# Allegro board parallella_gen1.brd (continued)
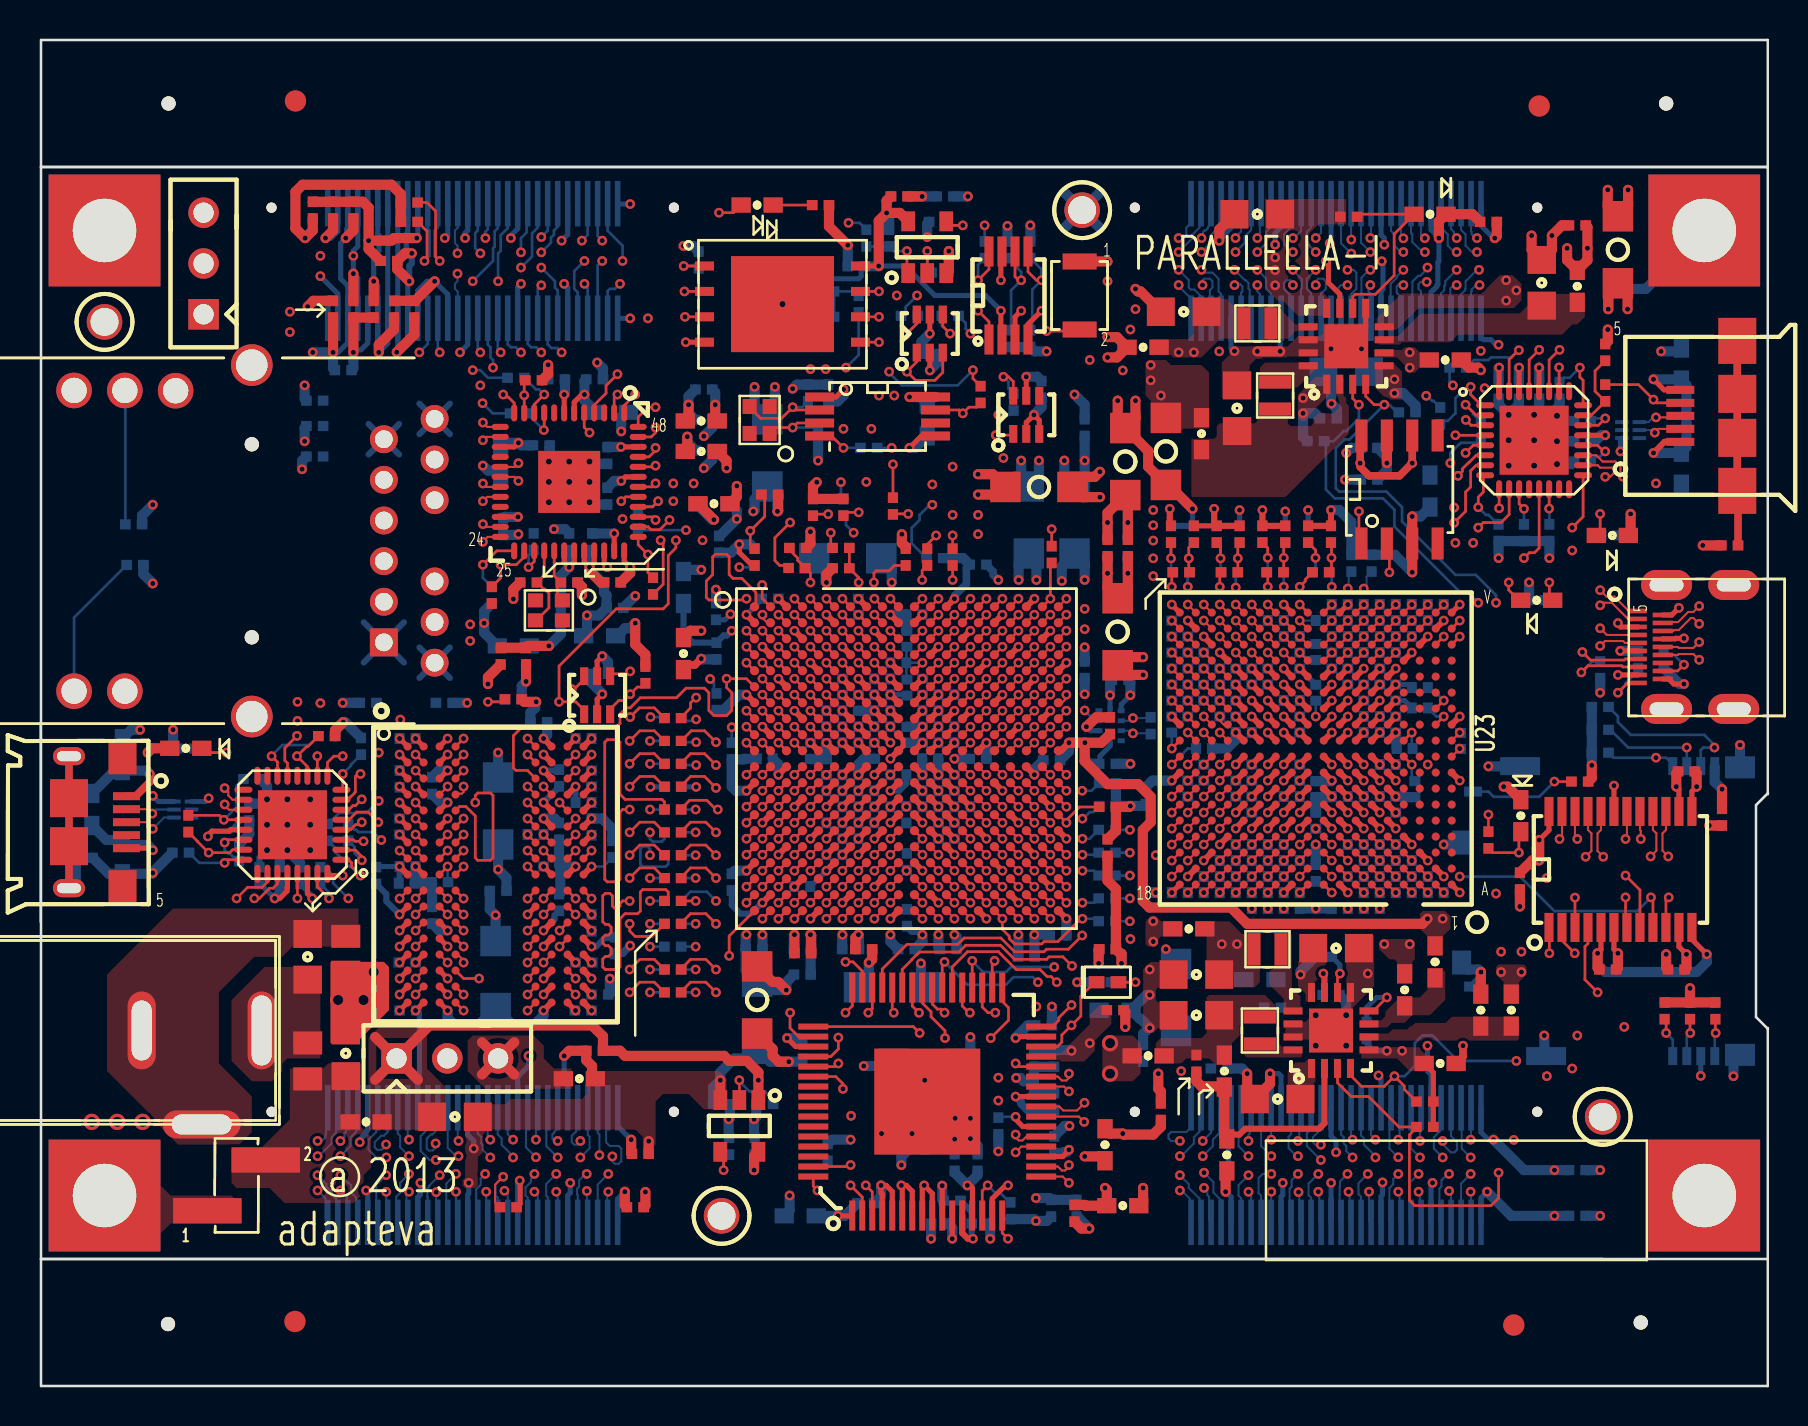
[diagram p0: board, top side]
## Routing (per net, layer and track width the routed paths; a pad name or vN(x,y) marks a point on that pad's centre or on a via; arc(x,y) is an arc through that point) (continued)
DDR_A0: length 13.4
  TOP w0.133: U20.K4 v1(21.19,24.38)
  L3_SIG w0.108: v1(30.51,25.4) 30.46,25.45 30.03,25.45 29.9,25.32 29.9,25.07 29.51,24.68 27.85,24.68 27.75,24.77 26.47,24.77 26.34,24.65 26.34,23.67 26.22,23.55 25.83,23.55 25.71,23.67 25.71,24.56 25.49,24.77 24.07,24.77 23.68,24.38 v1(21.19,24.38)
  BOTTOM w0.133: R316.2 v1(30.51,25.4)
DDR_A1: length 25.8
  TOP w0.133: U20.J9 v1(24.39,25.98) ; v1(29.49,28.83) 29.14,28.83 29.01,28.7 29.01,25.34 28.88,25.21 28.37,25.21 28.25,25.34 28.25,32.19 28.37,32.32 28.88,32.32 29.01,32.19 29.01,29.59 29.26,29.34 31.1,29.34 31.23,29.21 R315.2
  L3_SIG w0.108: v1(29.49,28.83) 29.14,28.83 29.09,28.78 27.32,28.78 27.19,28.65 27.19,28.19 26.98,27.98 26.33,27.98 25.96,27.61 25.96,26.53 25.81,26.37 24.51,26.37 24.39,26.25 v1(24.39,25.98)
DDR_A2: length 12.3
  TOP w0.133: R314.2 30.72,25.91 30,25.91 v1(29.49,25.4) ; U20.K3 v1(20.39,24.38)
  L3_SIG w0.108: v1(20.39,24.38) 20.78,24.77 21.35,24.77 21.44,24.69 23.53,24.69 23.91,25.07 29.14,25.07 29.47,25.4 v1(29.49,25.4)
DDR_A3: length 16.4
  TOP w0.133: R313.2 30.72,28.19 30,28.19 v1(29.49,27.69) ; v1(21.19,23.58) 21.19,23.58 U20.L4
  L5_SIG w0.108: v1(21.19,23.58) 21.64,23.12 21.64,22.66 21.92,22.38 27.84,22.38 28.63,23.16 28.63,23.67 28.88,23.93 28.88,27.56 29.01,27.69 v1(29.49,27.69)
DDR_A4: length 21.2
  TOP w0.133: U20.K9 v1(24.39,24.38)
  L3_SIG w0.108: v1(30.51,24.26) 30.51,23.84 31.93,22.42 31.93,20.75 31.8,20.62 31.42,20.62 31.3,20.75 31.3,22.1 30.97,22.42 28.85,22.42 28.82,22.38 22.02,22.38 21.71,22.7 21.71,23.61 22.04,23.94 23.69,23.94 24.13,24.38 v1(24.39,24.38)
  BOTTOM w0.133: R312.2 v1(30.51,24.26)
DDR_A5: length 19.4
  TOP w0.133: U20.L3 20.39,23.58 v1(20.39,23.58) ; R311.2 30.72,27.05 30,27.05 v1(29.49,26.54)
  L3_SIG w0.108: v1(29.49,26.54) 28.76,26.54 28.63,26.42 28.63,25.97 28.76,25.84 29.9,25.84 30.03,25.97 30.03,26.73 29.77,26.99 28.37,26.99 28.25,26.86 28.25,25.7 27.87,25.32 27.87,25.31 27.85,25.29 23.48,25.29 23.26,25.07 21.39,25.07 21.33,25.01 20.25,25.01 19.99,24.75 19.99,24.55 19.99,24.54 19.99,23.97 v1(20.39,23.58)
DDR_A6: length 15.7
  TOP w0.133: U20.K10 v1(25.19,24.38)
  L3_SIG w0.108: v1(25.19,24.38) 24.95,24.38 24.55,23.98 24.23,23.98 23.99,23.74 23.99,23.73 23.55,23.29 23.09,23.29 22.95,23.15 22.32,23.15 22.21,23.04 22.21,22.89 22.32,22.78 23.8,22.78 24.19,23.17 26.5,23.17 26.61,23.07 26.61,22.78 26.72,22.67 26.94,22.67 27.04,22.78 27.04,23.07 27.15,23.17 27.87,23.17 27.99,23.05 27.99,22.86 28.12,22.73 28.44,22.73 28.56,22.86 28.56,23.24 28.69,23.37 28.95,23.37 29.07,23.24 29.07,22.86 29.22,22.72 29.66,22.72 30.03,23.09 30.54,23.09 v1(30.51,23.11)
  BOTTOM w0.133: R310.2 v1(30.51,23.11)
DDR_A7: length 24.6
  TOP w0.133: U20.L2 v1(18.79,23.58)
  L5_SIG w0.108: v1(18.79,23.58) 18.79,23.8 18.91,23.93 19.36,23.93 19.48,23.8 19.48,22.02 19.61,21.89 19.86,21.89 19.99,22.02 19.99,22.94 20.22,23.17 20.55,23.17 20.78,22.94 20.78,21.74 20.94,21.58 21.64,21.58 21.77,21.45 21.77,21.26 21.9,21.13 22.15,21.13 22.28,21.26 22.28,21.45 22.41,21.58 22.77,21.58 22.88,21.47 22.88,21.26 23.01,21.13 23.4,21.13 23.53,21.26 23.53,21.47 23.64,21.58 27.81,21.58 29.09,22.87 29.09,23.38 29.26,23.55 29.77,23.55 30.03,23.8 30.03,27.56 30.15,27.69 v1(30.51,27.69)
  BOTTOM w0.133: v1(30.51,27.69) 30.51,27.36 30.63,27.23 31.1,27.23 31.23,27.36 R309.2
DDR_A8: length 25.3
  TOP w0.254: U20.L9 v1(24.39,23.58)
  L5_SIG w0.108: v1(24.39,23.58) 23.68,23.58 23.55,23.7 23.55,24.05 23.42,24.18 22.15,24.18 22.02,24.05 22.02,22.91 22.15,22.78 23.68,22.78 24.07,23.17 26.22,23.17 26.34,23.3 26.34,23.8 26.22,23.93 25.71,23.93 25.58,24.05 25.58,24.21 25.58,24.21 25.58,24.56 25.71,24.69 26.22,24.69 26.34,24.82 26.34,24.94 26.47,25.07 27.61,25.07 27.74,25.2 27.74,25.45 27.61,25.58 26.47,25.58 26.34,25.7 26.34,26.25 26.47,26.37 27.1,26.37 27.19,26.46 27.19,27.1 27.1,27.18 26.47,27.18 26.34,27.31 26.34,27.85 26.47,27.98 27.85,27.98 29.1,29.23 30.12,29.23 30.28,29.39 30.66,29.39 30.79,29.26 30.79,29.07 30.55,28.83 v1(30.51,28.83)
  BOTTOM w0.133: R308.2 v1(30.51,28.83)
DDR_A9: length 25.5
  TOP w0.133: U20.K2 v1(18.79,24.38) ; R307.2 30.72,30.48 30,30.48 v1(29.49,29.97)
  L5_SIG w0.108: v1(18.79,24.38) 18.35,24.82 16.82,24.82 16.69,24.94 16.69,26.47 16.82,26.59 17.33,26.59 17.45,26.47 17.45,25.7 17.71,25.45 22.73,25.45 22.75,25.43 23.08,25.43 23.09,25.45 25.45,25.45 25.83,25.83 25.83,28.5 25.58,28.75 25.58,30.25 25.71,30.38 29.08,30.38 v1(29.49,29.97)
DDR_A10: length 24.1
  TOP w0.133: U20.H9 v1(24.39,26.78) ; v1(29.49,32.26) 30,32.77 30.72,32.77 R306.2
  L5_SIG w0.108: v1(24.39,26.78) 22.49,26.78 22.17,27.1 22.17,29.89 21.77,30.29 21.77,32.82 22.91,33.96 22.91,35.76 23.35,36.2 27.28,36.2 27.68,35.8 27.68,33.45 28.87,32.26 v1(29.49,32.26)
DDR_A11: length 25.1
  TOP w0.133: U20.L10 v1(25.19,23.58)
  L5_SIG w0.108: v1(25.19,23.58) 24.79,23.97 24.14,23.97 23.93,24.18 23.93,24.43 23.8,24.56 21.77,24.56 21.64,24.43 21.64,24.1 21.52,23.97 19.99,23.97 19.87,24.1 19.87,24.94 19.99,25.07 25.71,25.07 26.09,25.45 26.09,28.24 26.62,28.78 27.89,28.78 28.55,29.44 29.9,29.44 30.03,29.56 30.03,30.4 30.15,30.53 30.91,30.53 31.04,30.66 31.04,30.99 30.91,31.12 v1(30.51,31.12)
  BOTTOM w0.133: R305.2 v1(30.51,31.12)
DDR_A12: length 25.6
  TOP w0.133: U20.K11 v1(26.79,24.38) ; v1(29.52,33.45) 29.98,33.91 30.72,33.91 30.99,33.64 30.99,33.64 R304.2
  L5_SIG w0.108: v1(26.79,24.38) 26.79,24.69 26.91,24.82 27.99,24.82 28.12,24.94 28.12,27.86 28.58,28.33 30.87,28.33 31.29,28.74 31.3,28.74 31.42,28.87 31.42,32.69 31.3,32.82 30.15,32.82 30.03,32.94 30.03,36.77 29.9,36.89 28.88,36.89 28.76,36.77 28.76,33.58 28.88,33.45 v1(29.52,33.45)
DDR_A13: length 23.6
  TOP w0.133: U20.L11 26.79,23.58 v1(26.79,23.58)
  L5_SIG w0.108: v1(30.53,33.45) 30.53,36.83 30.66,36.96 31.68,36.96 31.8,36.83 31.8,28.24 31.68,28.12 29.01,28.12 28.5,27.61 28.5,24.1 28.37,23.97 27.18,23.97 v1(26.79,23.58)
  BOTTOM w0.133: v1(30.53,33.45) 31.18,33.45 R303.2
DDR_A14: length 24.9
  TOP w0.133: U20.H10 v1(25.19,26.78)
  L5_SIG w0.108: v1(25.19,26.78) 24.78,27.18 23.09,27.18 22.78,27.49 22.78,30.74 22.41,31.12 22.41,32.69 23.29,33.58 23.29,35.36 23.75,35.81 26.73,35.81 27.17,35.37 27.17,33.45 27.99,32.63 27.99,31.67 28.12,31.55 30.91,31.55 31.04,31.67 31.04,32.13 30.91,32.26 v1(30.51,32.26)
  BOTTOM w0.133: R302.2 v1(30.51,32.26)
DDR_BA0: length 18.9
  TOP w0.133: R319.2 30.6,22.48 29.77,22.48 29.49,22.76 v1(29.49,23.11) ; U20.K1 v1(17.99,24.38)
  L5_SIG w0.108: v1(29.49,23.11) 29.49,22.63 29.01,22.15 29.01,21.64 28.14,20.77 22.13,20.77 22.12,20.78 19.84,20.78 19.04,21.58 18.51,21.58 18.38,21.71 18.38,23.98 v1(17.99,24.38)
DDR_BA1: length 14.8
  TOP w0.133: U20.K12 v1(27.59,24.38)
  L3_SIG w0.108: v1(27.59,24.38) 27.59,24.35 28.07,23.86 29.96,23.86 30.11,24.01 30.11,24.52 30.28,24.69 30.91,24.69 30.98,24.63 30.98,23.81 32.31,22.48 32.31,19.86 32.18,19.74 31.04,19.74 30.91,19.86 30.91,21.84 30.79,21.97 v1(30.51,21.97)
  BOTTOM w0.133: R318.2 v1(30.51,21.97)
DDR_BA2: length 24.9
  TOP w0.133: v1(29.49,31.12) 30,31.62 30.72,31.62 R317.2 ; U20.H2 v1(18.79,26.78)
  L5_SIG w0.108: v1(29.49,31.12) 27.81,31.12 27.74,31.18 27.42,31.18 27.19,31.41 27.19,32.71 27.08,32.82 23.8,32.82 23.68,32.69 23.68,28.1 23.8,27.98 25.35,27.98 25.58,27.74 25.58,26.61 25.35,26.37 19.19,26.37 v1(18.79,26.78)
DDR_CAS_L: length 20.5
  TOP w0.133: v1(20.39,27.58) 20.39,27.58 U20.G3
  L3_SIG w0.108: v1(20.39,27.58) 19.93,27.12 19.93,26.04 19.2,25.3 19.2,20.86 20.08,19.98 27.99,19.98 28.11,19.86 28.89,19.86 29.14,20.11 30.08,20.11 v1(30.51,19.69)
  BOTTOM w0.133: R323.2 v1(30.51,19.69)
DDR_CKE: length 24.4
  TOP w0.133: R325.2 31.3,24.26 31.42,24.38 31.42,24.7 31.3,24.83 30.15,24.83 30.03,24.7 30.03,23.75 29.9,23.62 29.26,23.62 29.01,23.37 29.01,20.95 28.88,20.83 28.7,20.83 28.69,20.83 28.31,20.83 28.31,20.83 28.27,20.83 28.15,20.95 28.15,21.35 28.28,21.48 28.43,21.48 28.56,21.62 28.56,21.88 28.43,22.02 28.28,22.02 28.15,22.15 28.15,22.42 28.28,22.55 28.43,22.55 28.56,22.68 28.56,22.95 28.43,23.08 28.28,23.08 28.15,23.22 28.15,24.51 28.27,24.64 28.5,24.64 28.63,24.51 28.63,24 28.76,23.88 28.88,23.88 29.01,24 29.01,24.13 29.14,24.26 v1(29.49,24.26) ; v1(26.79,27.58) 26.79,27.58 U20.G11
  L3_SIG w0.108: v1(29.49,24.26) 29.9,24.66 29.9,24.69 30.21,25 30.72,25 30.91,25.19 30.91,26.86 30.6,27.18 30.28,27.18 30.03,27.43 30.03,27.94 29.64,28.32 29.36,28.32 29.01,27.98 29.01,27.75 28.88,27.62 28.44,27.62 28.31,27.75 28.31,27.91 28.25,27.98 27.42,27.98 27.19,27.74 27.19,27.69 27.07,27.58 v1(26.79,27.58)
DDR_CLK_N: length 82.5
  TOP w0.102: v1(25.19,27.58) U20.G10 ; U2.M2 v1(36.13,29.77)
  L3_SIG w0.095: v1(36.13,29.77) 36.13,30.04 36.02,30.15 35.9,30.15 35.72,29.98 35.72,29.61 35.5,29.38 34.79,29.38 34.66,29.25 34.66,28.58 34.51,28.42 34.51,27.4 34.1,26.99 32.5,26.99 32.37,26.86 32.37,24 32.07,23.7 31.61,23.7 31.31,24 31.31,27.12 30.93,27.5 30.93,28.57 31.24,28.88 31.86,28.88 32.11,28.64 32.11,28.45 32.18,28.37 32.31,28.37 32.38,28.44 33.07,28.44 33.2,28.56 33.2,29.1 33.07,29.22 32.36,29.22 32.12,29.46 32.12,29.59 32,29.72 31.54,29.72 31.41,29.59 31.41,29.46 31.17,29.22 28.31,29.22 28.07,29.47 28.07,30.22 28.31,30.47 28.95,30.47 29.14,30.66 29.19,30.66 29.2,30.67 29.78,30.67 29.79,30.66 34.46,30.66 34.6,30.79 34.6,30.97 34.93,31.3 34.93,31.56 34.79,31.7 34.54,31.7 34.34,31.5 32.55,31.5 32.43,31.37 32.43,31.24 32.12,30.94 31.23,30.94 30.93,31.24 30.93,31.43 30.85,31.51 29.2,31.51 29.1,31.41 29.1,31.12 28.8,30.81 28.37,30.81 28.07,31.12 28.07,32.77 28.01,32.83 27.25,32.83 26.98,33.1 26.98,33.58 27.59,34.19 28.28,34.19 28.58,34.49 28.99,34.49 29.27,34.2 29.27,33.79 29.06,33.58 29.06,33.08 29.12,33.02 31.09,33.02 31.41,32.7 31.41,32.38 31.54,32.26 31.75,32.26 31.88,32.38 31.88,33.32 31.35,33.86 30.26,33.86 29.97,34.15 29.97,34.56 30.26,34.85 32.13,34.85 32.43,34.55 32.43,34.26 32.66,34.03 33.19,34.03 33.51,33.71 33.51,33.07 33.62,32.96 33.79,32.96 33.9,33.07 33.9,33.23 33.91,33.24 33.91,33.29 34.28,33.66 34.28,34.16 34.15,34.29 33.59,34.29 32.58,35.31 31.5,35.31 31.18,35.62 31.18,35.81 31.11,35.88 30.72,35.88 30.65,35.81 30.65,35.61 30.34,35.31 30.09,35.31 29.77,34.99 29.09,34.99 28.88,35.19 27.56,35.19 27.42,35.05 27.42,34.68 26.14,33.4 25.96,33.4 25.9,33.34 25.9,33.01 26.34,32.56 26.34,32.13 25.9,31.69 25.9,31.48 26.34,31.04 26.34,30.61 25.9,30.16 25.9,30.04 26.06,29.87 26.27,29.87 26.71,29.43 26.71,28.92 26.27,28.48 25.62,27.83 25.62,27.48 25.49,27.36 25.32,27.36 25.2,27.48 25.2,27.56 v1(25.19,27.58)
DDR_CLK_P: length 82.5
  TOP w0.102: v1(24.39,27.58) U20.G9 ; U2.L2 v1(36.13,30.57)
  L3_SIG w0.095: v1(24.39,27.58) 24.41,27.58 24.81,27.99 25.35,27.99 26.15,28.79 26.41,29.05 26.41,29.31 26.15,29.57 25.93,29.57 25.59,29.91 25.59,30.29 26.04,30.73 26.04,30.91 25.59,31.36 25.59,31.81 26.04,32.26 26.04,32.44 25.59,32.88 25.59,33.46 25.83,33.71 26.01,33.71 27.12,34.81 27.12,35.18 27.43,35.5 29.01,35.5 29.22,35.29 29.64,35.29 29.96,35.61 30.22,35.61 30.34,35.74 30.34,35.94 30.59,36.19 31.24,36.19 31.49,35.94 31.49,35.75 31.63,35.61 32.7,35.61 33.72,34.59 34.28,34.59 34.58,34.29 34.58,33.53 34.22,33.16 34.22,33.12 34.21,33.11 34.21,32.94 33.92,32.65 33.5,32.65 33.21,32.94 33.21,33.58 33.06,33.73 32.53,33.73 32.12,34.14 32.12,34.43 32.01,34.54 30.39,34.54 30.28,34.43 30.28,34.27 30.39,34.16 31.47,34.16 32.18,33.45 32.18,32.26 31.88,31.95 31.41,31.95 31.1,32.26 31.1,32.58 30.96,32.72 29,32.72 28.76,32.96 28.76,33.71 28.97,33.92 28.97,34.08 28.86,34.19 28.71,34.19 28.4,33.88 27.71,33.88 27.28,33.45 27.28,33.23 27.38,33.13 28.13,33.13 28.37,32.89 28.37,31.24 28.5,31.12 28.67,31.12 28.8,31.24 28.8,31.54 29.07,31.81 30.98,31.81 31.23,31.56 31.23,31.37 31.36,31.24 31.99,31.24 32.12,31.37 32.12,31.5 32.44,31.81 32.65,31.81 32.66,31.8 34.21,31.8 34.41,32 34.91,32 35.23,31.69 35.23,31.18 34.9,30.85 34.9,30.67 34.59,30.35 29.66,30.35 29.65,30.36 29.33,30.36 29.32,30.35 29.26,30.35 29.07,30.16 28.44,30.16 28.37,30.09 28.37,29.6 28.44,29.53 31.04,29.53 31.1,29.59 31.1,29.72 31.41,30.02 32.12,30.02 32.43,29.72 32.43,29.59 32.49,29.53 33.2,29.53 33.5,29.22 33.5,28.44 33.2,28.13 32.5,28.13 32.44,28.07 32.06,28.07 31.8,28.32 31.8,28.51 31.74,28.58 31.36,28.58 31.23,28.45 31.23,27.62 31.61,27.24 31.61,24.13 31.74,24 31.94,24 32.07,24.13 32.07,26.99 32.38,27.3 33.97,27.3 34.2,27.52 34.2,28.55 34.36,28.7 34.36,29.38 34.83,29.85 34.83,29.93 35.06,30.16 35.48,30.16 35.77,30.45 35.91,30.45 36.02,30.57 v1(36.13,30.57)
DDR_CS_L: length 25.7
  TOP w0.133: v1(21.19,26.78) 20.79,26.38 U20.H4
  L3_SIG w0.108: v1(30.51,26.54) 30.34,26.71 30.34,26.8 29.85,27.29 28.06,27.29 27.94,27.17 26.54,27.17 26.34,26.97 26.34,25.7 26.22,25.58 23.36,25.58 23.17,25.39 22.34,25.39 22.06,25.67 22.06,26.24 22.28,26.47 23.8,26.47 23.93,26.59 23.93,26.85 23.8,26.97 22.21,26.97 22.09,27.1 22.09,27.36 22.21,27.48 23.8,27.48 23.93,27.61 23.93,27.86 23.8,27.99 22.01,27.99 21.64,27.62 21.64,26.9 21.52,26.78 v1(21.19,26.78)
  BOTTOM w0.133: v1(30.51,26.54) 30.51,26.86 30.38,26.99 30.15,26.99 30.03,26.86 30.03,26.1 30.15,25.97 31.3,25.97 31.42,26.1 31.42,26.42 31.3,26.54 R321.2
DDR_DM0: length 31.9
  TOP w0.133: v1(35.33,39.37) 35.27,39.31 33.45,39.31 33.33,39.43 33.33,40.26 33.64,40.58 33.64,41.47 33.77,41.59 34.34,41.59 34.47,41.47 34.47,40.58 34.66,40.39 35.11,40.39 35.8,39.69 35.8,39.04 U2.A1 ; U20.C4 20.79,30.38 v1(21.19,30.78)
  L3_SIG w0.108: v1(21.19,30.78) 21.58,31.18 21.58,32.54 21.52,32.61 21.52,33.58 21.77,33.83 21.77,35.04 22.28,35.55 22.47,35.55 26.1,39.18 26.53,39.18 26.66,39.31 26.66,39.75 26.79,39.88 26.87,39.88 26.94,39.94 27.11,39.94 27.29,40.13 28.5,40.13 29.06,39.57 29.21,39.57 29.33,39.69 29.33,39.81 29.45,39.94 30.15,39.94 30.28,39.81 30.28,39.5 30.41,39.37 30.66,39.37 30.79,39.5 30.79,40.13 30.91,40.26 32.37,40.26 32.57,40.07 33.39,40.07 33.64,40.32 33.96,40.32 34.57,39.72 34.57,39.53 34.72,39.37 v1(35.33,39.37)
DDR_DM1: length 19.6
  TOP w0.133: U2.F1 35.33,35.37 v1(34.34,35.37) 34.34,34.92 34.6,34.67 34.6,33.78 34.34,33.53 33.71,33.53 33.45,33.78 33.45,34.67 33.23,34.9 32.31,34.9 31.83,34.42 30.03,34.42 29.52,33.91 29.33,33.91 29.01,33.6 29.01,33.13 28.81,32.93 24.09,32.93 23.68,32.52 23.68,30.91 23.8,30.78 24.38,30.78 U20.C9
DDR_DM2: length 21.9
  TOP w0.133: U2.T1 v1(35.33,26.57) ; U20.R9 v1(24.39,20.38)
  L10_SIG w0.108: v1(24.39,20.38) 24.38,20.38 22.41,22.35 22.41,22.73 22.66,22.99 23.17,22.99 23.8,22.35 23.8,21.84 24.07,21.58 26.15,21.58 26.51,21.93 26.98,21.93 27.42,22.37 27.89,22.37 28.25,22.73 28.25,24.89 29.15,25.8 30.77,25.8 31.17,25.4 32.18,25.4 32.74,25.96 33.96,25.96 34.57,26.57 v1(35.33,26.57)
DDR_DM3: length 30.1
  TOP w0.133: U2.Y1 34.47,22.5 v1(34.47,21.51) ; U20.R4 21.19,20.38 v1(21.96,20.38)
  L8_SIG w0.108: v1(34.47,21.51) 34.47,21.08 34.6,20.95 34.74,20.95 34.85,20.84 34.85,20.69 34.74,20.57 34.6,20.57 34.47,20.45 34.47,20.32 34.23,20.08 33.58,20.08 33.44,19.94 33.2,19.94 33.07,20.07 33.07,20.45 33.33,20.7 33.33,20.95 33.71,21.34 33.84,21.34 33.95,21.45 33.95,21.6 33.84,21.72 33.58,21.72 33.12,21.26 32.44,21.26 32.31,21.13 32.31,20.83 32.18,20.7 31.93,20.7 31.8,20.83 31.8,21.1 31.69,21.21 31.53,21.21 31.42,21.1 31.42,20.83 31.3,20.7 31.04,20.7 30.91,20.83 30.91,21.13 30.79,21.26 28.76,21.26 28.1,20.61 28.1,20.24 27.85,19.98 27.36,19.98 27.19,19.81 27.19,19.3 27.06,19.18 26.6,19.18 26.34,19.43 26.34,20.32 26.22,20.45 25.71,20.45 25.58,20.32 25.58,20.06 25.83,19.81 25.83,19.43 26.02,19.25 26.02,19.1 25.83,18.92 25.71,18.92 25.45,19.18 24.95,19.18 24.79,19.33 24.79,19.74 24.56,19.96 24.56,19.98 24.1,19.98 23.93,19.81 23.93,19.69 23.8,19.56 23.55,19.56 23.42,19.69 23.42,20.32 23.29,20.45 23.04,20.45 22.91,20.32 22.91,19.94 22.79,19.81 22.53,19.81 22.41,19.94 22.41,20.25 22.28,20.38 v1(21.96,20.38)
DDR_DQ0: length 31.9
  TOP w0.133: U2.C3 v1(36.93,37.77) ; U20.B2 v1(18.79,31.58)
  L3_SIG w0.108: v1(18.79,31.58) 18.79,31.37 18.66,31.24 18.47,31.24 18.38,31.33 18.38,32.74 18.53,32.89 18.53,34.16 19.55,35.18 20.2,35.18 24.12,39.1 24.12,39.81 26.39,42.09 30.66,42.09 30.91,41.83 34.6,41.83 34.79,41.64 36.64,41.64 37.65,40.64 37.65,40.09 38.13,39.61 38.13,39.21 37.89,38.97 37.57,38.97 37.33,38.73 37.33,38.17 v1(36.93,37.77)
DDR_DQ1: length 31.4
  TOP w0.133: v1(21.19,32.38) 20.79,31.98 U20.A4 ; U2.B3 v1(36.93,38.57)
  L3_SIG w0.108: v1(21.19,32.38) 21.19,33.66 21.06,33.78 20.83,33.78 20.71,33.66 20.71,32.62 20.78,32.54 20.78,32.19 20.58,31.98 20.06,31.98 19.93,32.11 19.93,32.77 20.06,32.89 20.25,32.89 20.37,33.02 20.37,33.27 20.25,33.4 19.87,33.4 19.74,33.53 19.74,33.85 19.99,34.1 20.51,34.1 25.39,38.98 25.39,39.56 25.45,39.62 25.71,39.62 25.82,39.51 25.97,39.51 26.09,39.62 26.09,39.81 25.96,39.94 25.96,40.13 26.02,40.2 26.91,40.2 27.23,40.51 28.82,40.51 29.07,40.26 29.33,40.26 29.58,40.51 29.83,40.51 30.09,40.26 30.34,40.26 30.72,40.64 31.1,40.64 31.36,40.89 31.49,40.89 31.87,40.51 32.06,40.51 32.44,40.89 32.57,40.89 32.67,40.79 32.67,40.54 32.82,40.39 33.2,40.39 33.23,40.42 33.24,40.42 33.47,40.65 33.47,40.66 33.71,40.89 33.96,40.89 34.98,39.88 35.39,39.88 35.85,39.42 36.26,39.42 36.73,38.95 36.73,38.78 v1(36.93,38.57)
DDR_DQ2: length 31.7
  TOP w0.133: U20.C2 v1(18.79,30.78) ; v1(36.12,40.06) 36.12,39.38 U2.A2
  L3_SIG w0.108: v1(18.79,30.78) 18.8,30.78 19.17,30.42 19.17,30.16 19.18,30.14 19.18,30.02 19.29,29.91 19.8,29.91 19.93,30.04 19.93,30.54 19.8,30.67 19.42,30.67 19.29,30.8 19.29,32.7 19.17,32.83 18.98,32.83 18.85,32.96 18.85,33.91 19.8,34.86 20.38,34.86 24.63,39.1 24.63,39.87 26.48,41.72 29.71,41.72 30.01,41.42 30.01,41.42 30.24,41.18 30.66,41.18 31.01,41.53 34.41,41.53 34.59,41.34 36.44,41.34 36.63,41.15 36.63,40.34 36.35,40.06 v1(36.12,40.06)
DDR_DQ3: length 31.5
  TOP w0.133: v1(21.19,31.58) 20.79,31.18 U20.B4 ; U2.A4 v1(37.73,39.37)
  L3_SIG w0.108: v1(37.73,39.37) 37.73,39.6 37.57,39.77 36.77,39.77 36.66,39.66 35.96,39.66 35.61,40 35.61,40.26 35.87,40.51 36.12,40.51 36.25,40.64 36.25,41.02 36.18,41.09 35.81,41.09 35.23,40.51 34.85,40.51 34.82,40.55 34.81,40.55 34.58,40.78 34.58,40.78 34.15,41.21 33.24,41.21 33.24,41.21 32.91,41.21 32.91,41.21 31.17,41.21 30.87,40.91 30.11,40.91 29.68,41.34 27.32,41.34 27.32,41.34 27.28,41.34 27.04,41.1 27.04,40.77 26.82,40.55 25.81,40.55 25.01,39.75 25.01,39.05 20.44,34.48 19.87,34.48 19.23,33.85 19.23,33.27 19.36,33.15 19.48,33.15 19.61,33.02 19.61,31.31 19.74,31.18 21.06,31.18 21.19,31.31 v1(21.19,31.58)
DDR_DQ4: length 31.7
  TOP w0.133: U20.E2 v1(18.79,29.18) ; U2.D3 v1(36.93,36.97)
  L3_SIG w0.108: v1(18.79,29.18) 19.06,29.18 19.18,29.05 19.18,28.12 19.04,27.98 18.47,27.98 18.38,27.9 18.38,26.47 18.47,26.38 19.13,26.38 19.55,26.8 19.55,27.5 20.03,27.98 20.54,27.98 20.78,28.21 20.78,28.6 20.96,28.78 23.18,28.78 23.55,29.15 23.55,32.82 24.42,33.69 24.42,34.45 26.41,36.44 27.62,36.44 27.96,36.1 28.29,36.1 28.95,36.75 29.58,36.75 29.75,36.92 32.35,36.92 32.5,37.07 33.9,37.07 34.15,36.82 34.92,36.82 35.17,36.57 35.23,36.57 35.23,36.57 36.53,36.57 v1(36.93,36.97)
DDR_DQ5: length 31.6
  TOP w0.133: v1(21.77,29.18) 21.77,29.53 21.9,29.65 22.53,29.65 22.66,29.53 22.66,26.42 22.53,26.29 21.9,26.29 21.77,26.42 21.77,28.51 21.3,28.98 20.99,28.98 20.79,28.78 U20.E4 ; U2.D1 v1(35.33,36.97)
  L3_SIG w0.108: v1(35.33,36.97) 35.69,36.97 35.74,37.02 35.74,37.27 35.64,37.37 35.08,37.37 34.77,37.07 34.28,37.07 33.76,37.59 33.5,37.59 33.23,37.33 32.96,37.33 32.63,37.66 32.29,37.66 32.18,37.55 32.18,37.4 32.06,37.27 29.59,37.27 29.39,37.07 26.6,37.07 25.15,35.63 24.15,35.63 23.91,35.39 23.91,34.94 24.06,34.8 24.06,33.91 23.17,33.02 23.17,31.98 23.31,31.84 23.31,31.51 23.17,31.37 23.17,29.37 22.98,29.18 v1(21.77,29.18)
DDR_DQ6: length 31.9
  TOP w0.133: U2.C1 v1(35.33,37.77) ; U20.F2 v1(18.79,28.38)
  L3_SIG w0.108: v1(35.33,37.77) 35.24,37.67 35.06,37.67 34.99,37.61 34.99,37.61 34.76,37.37 34.76,37.37 34.71,37.33 34.48,37.33 34.44,37.37 34.43,37.37 33.83,37.97 33.52,37.97 33.33,38.17 32.37,38.17 31.78,37.58 29.44,37.58 29.26,37.4 26.47,37.4 25.02,35.95 24.13,35.95 23.61,35.43 23.61,33.9 22.66,32.94 22.66,31.98 22.52,31.84 22.52,31.51 22.66,31.37 22.66,30.28 21.96,29.58 17.33,29.58 17.2,29.7 17.2,30.61 17.07,30.73 16.63,30.73 16.5,30.61 16.5,28.9 16.63,28.78 18.39,28.78 v1(18.79,28.38)
DDR_DQ7: length 31.5
  TOP w0.133: U20.F4 20.79,27.98 v1(21.19,28.38) ; U2.E1 v1(35.33,36.17)
  L3_SIG w0.108: v1(35.33,36.17) 35.14,36.36 35.08,36.36 34.88,36.56 34.03,36.56 33.82,36.77 32.69,36.77 32.57,36.64 32.57,36.07 32.44,35.94 32.06,35.94 31.93,36.07 31.93,36.51 31.8,36.64 30.33,36.64 30.2,36.51 30.2,36.32 30.08,36.2 29.63,36.2 29.33,36.5 29.12,36.5 28.95,36.32 28.95,36 28.82,35.88 27.66,35.88 27.49,36.06 27.15,36.06 27.04,35.94 27.04,35.56 26.91,35.43 26.72,35.43 26.6,35.56 26.6,35.75 26.5,35.85 26.31,35.85 25.9,35.43 25.9,35.24 26.13,35.01 26.13,34.84 25.92,34.63 25.74,34.63 25.48,34.89 25.36,34.89 25.22,34.75 25.22,34.53 25.52,34.23 25.52,34.04 25.22,33.73 25.22,33.46 25.09,33.34 24.54,33.34 24.31,33.11 24.31,32.96 24.42,32.85 24.61,32.85 24.78,32.67 24.78,32.07 24.69,31.98 24.06,31.98 23.93,31.85 23.93,31.12 24.06,30.99 24.66,30.99 24.79,30.86 24.79,30.61 24.66,30.48 24.06,30.48 23.93,30.35 23.93,29.71 24.06,29.58 25.47,29.58 25.58,29.46 25.58,28.9 25.46,28.78 24.13,28.78 23.73,28.38 21.83,28.38 21.52,28.07 21.31,28.07 21.19,28.19 v1(21.19,28.38)
DDR_DQ8: length 19.8
  TOP w0.133: v1(26.79,31.58) 26.39,31.18 U20.B11 ; U2.E2 v1(36.13,36.17)
  L8_SIG w0.108: v1(36.13,36.17) 35.98,36.32 35.74,36.32 35.5,36.57 34.93,36.57 34.66,36.83 32.82,36.83 31.04,35.05 31.04,32.82 30.91,32.69 29.34,32.69 29.01,33.02 29.01,33.27 28.88,33.4 27.36,33.4 27.23,33.27 27.23,33.02 27.36,32.89 28.25,32.89 28.37,32.77 28.37,32.11 28.25,31.98 25.96,31.98 25.83,31.85 25.83,31.71 25.96,31.58 v1(26.79,31.58)
DDR_DQ9: length 19.5
  TOP w0.133: U20.A9 24.79,31.98 v1(24.39,32.38) ; U2.E3 v1(36.93,36.17)
  L8_SIG w0.108: v1(36.93,36.17) 36.77,36.33 36.77,36.57 36.53,36.81 36.53,37.13 36.29,37.37 35.97,37.37 35.73,37.61 35.73,37.93 35.5,38.17 32.5,38.17 30.09,35.75 30.09,34.59 29.69,34.2 27.14,34.2 26.33,33.39 24.06,33.39 23.93,33.26 23.93,32.51 24.06,32.38 v1(24.39,32.38)
DDR_DQ10: length 19.9
  TOP w0.133: v1(26.79,30.78) 26.39,30.38 U20.C11 ; U2.G3 v1(36.93,34.57)
  L8_SIG w0.108: v1(36.93,34.57) 36.66,34.57 36.54,34.7 36.54,35.53 36.3,35.77 35.03,35.77 34.85,35.94 33.55,35.94 33.42,35.81 32.44,35.81 31.55,34.92 31.55,31.12 31.42,30.99 31.17,30.99 31.04,31.12 31.04,31.42 30.91,31.55 28.5,31.55 28.14,31.18 25.7,31.18 25.58,31.06 25.58,30.9 25.7,30.78 v1(26.79,30.78)
DDR_DQ11: length 19.8
  TOP w0.133: U20.B9 v1(24.39,31.58) ; U2.H3 v1(36.93,33.77)
  L8_SIG w0.108: v1(36.93,33.77) 37.33,34.17 37.33,35.62 37.26,35.69 37.18,35.77 36.77,35.77 36.54,36.01 36.54,36.33 36.3,36.57 35.97,36.57 35.73,36.81 35.73,37.13 35.5,37.37 32.85,37.37 30.6,35.12 30.6,34.73 29.76,33.9 27.35,33.9 25.43,31.98 24.79,31.98 v1(24.39,31.58)
DDR_DQ12: length 19.8
  TOP w0.133: U2.J3 v1(36.93,32.97) ; U20.E11 25.99,29.18 v1(25.99,29.18)
  L8_SIG w0.108: v1(36.93,32.97) 36.53,33.37 36.53,33.93 36.3,34.17 34.09,34.17 33.22,33.29 33.22,29.4 33.07,29.26 32.44,29.26 32.31,29.13 32.31,28.7 32.18,28.58 31.93,28.58 31.8,28.7 31.8,29.13 31.68,29.26 29.14,29.26 29.01,29.13 29.01,28.83 28.88,28.7 28.63,28.7 28.5,28.83 28.5,29.21 28.37,29.34 28.12,29.34 27.99,29.21 27.99,28.91 27.87,28.78 26.38,28.78 v1(25.99,29.18)
DDR_DQ13: length 19.7
  TOP w0.133: U20.E9 v1(24.39,29.18) ; U2.H2 v1(36.13,33.77)
  L8_SIG w0.108: v1(24.39,29.18) 24.79,28.78 25.38,28.78 25.58,28.57 25.58,28.19 26.59,27.18 28.76,27.18 28.88,27.3 29.31,27.3 29.33,27.29 31.79,27.29 32.58,28.08 33.15,28.08 33.45,28.38 34.03,28.38 34.6,28.96 34.6,32.38 34.44,32.55 34.43,32.55 34.2,32.78 34.2,33.11 34.46,33.37 35.73,33.37 v1(36.13,33.77)
DDR_DQ14: length 19.6
  TOP w0.133: U20.F11 26.39,27.98 v1(26.79,28.38) ; U2.H1 v1(35.33,33.77)
  L8_SIG w0.108: v1(26.79,28.38) 26.22,28.38 26.09,28.25 26.09,28.1 26.22,27.98 27.99,27.98 28.12,27.85 28.12,27.69 28.25,27.56 28.5,27.56 28.63,27.69 28.63,28.19 28.76,28.32 29.26,28.32 29.39,28.19 29.41,28.19 29.52,28.08 29.79,28.08 30.03,28.32 30.3,28.32 30.53,28.08 30.79,28.08 30.91,28.21 30.91,28.7 31.04,28.83 31.3,28.83 31.42,28.7 31.42,28.19 31.53,28.08 32.18,28.08 32.49,28.38 33.01,28.38 33.33,28.7 33.33,29 33.67,29.34 34.09,29.34 34.34,29.59 34.34,30.1 34.09,30.35 34.09,30.61 34.34,30.86 34.34,31.24 34.09,31.5 34.09,31.75 34.34,32 34.34,32.26 33.84,32.77 33.84,33.4 34.2,33.77 v1(35.33,33.77)
DDR_DQ15: length 19.5
  TOP w0.133: U2.J1 v1(35.33,32.97) ; U20.F9 v1(24.39,28.38)
  L8_SIG w0.108: v1(24.39,28.38) 24.78,27.98 24.78,27.39 24.95,27.23 24.97,27.23 25.02,27.18 25.45,27.18 26.25,26.38 28.25,26.38 28.81,26.94 31.12,26.94 31.23,26.83 31.23,26.59 31.33,26.48 31.55,26.48 31.66,26.59 31.66,26.83 31.77,26.94 33.09,26.94 33.33,27.18 33.33,27.81 33.64,28.13 34.66,28.13 34.94,28.41 34.94,32.34 35.33,32.74 v1(35.33,32.97)
DDR_DQ16: length 21.8
  TOP w0.133: U20.M11 v1(25.99,22.78) ; U2.P1 v1(35.33,28.17)
  L10_SIG w0.108: v1(25.99,22.78) 25.58,23.18 24.12,23.18 23.93,23.37 23.93,24.38 23.8,24.51 22.91,24.51 22.79,24.64 22.79,25.15 22.91,25.27 23.17,25.27 23.31,25.42 23.31,26.67 23.44,26.8 23.8,26.8 23.93,26.67 23.93,26.5 24.06,26.37 27.95,26.37 29.09,27.52 29.09,27.85 29.33,28.08 30.17,28.08 30.25,28.17 30.81,28.17 31.3,27.69 31.96,27.69 32.44,28.17 v1(35.33,28.17)
